# KiCad board fretboard_0.2.kicad_pcb (continued)
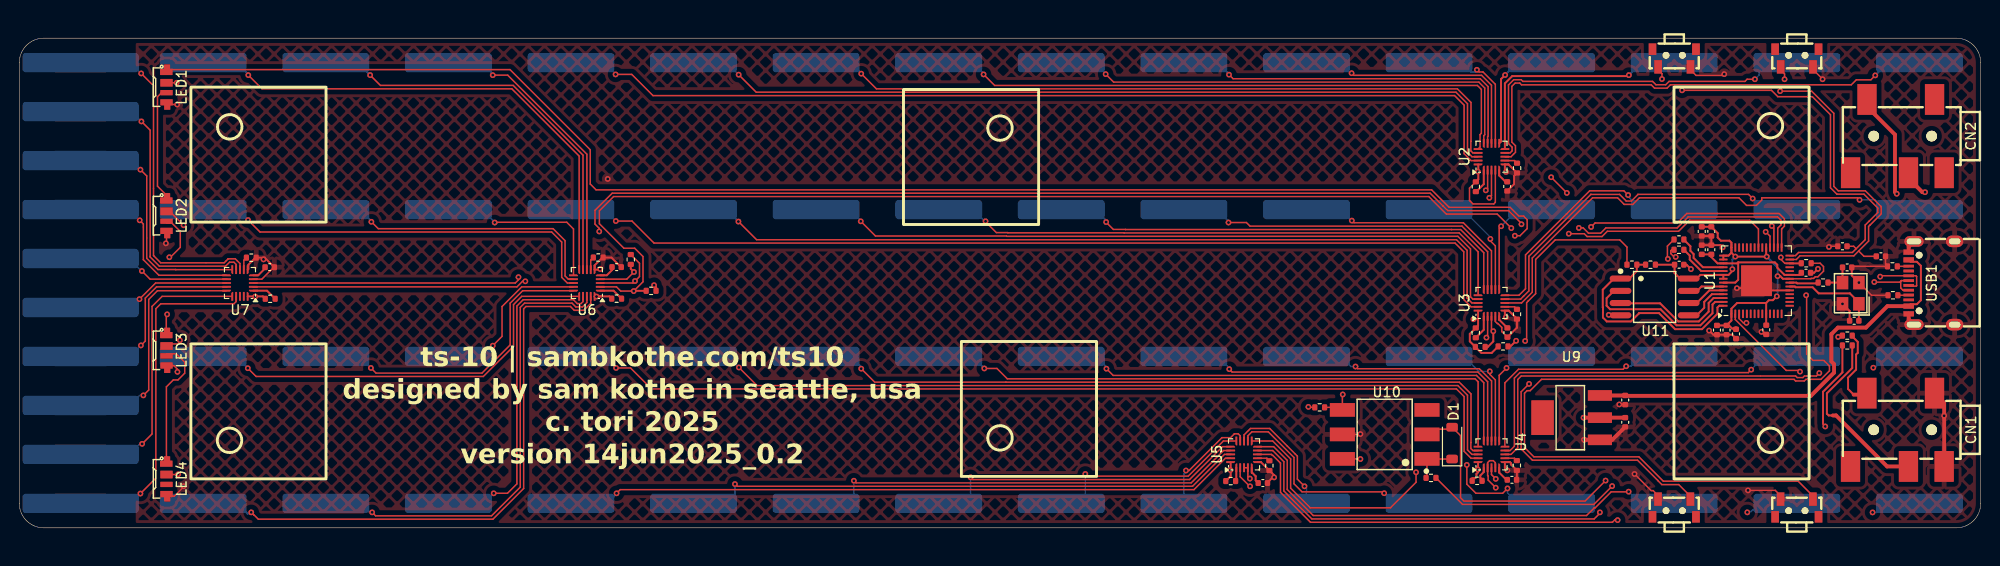
[diagram p0: board, top side]
## Routing (per net, layer and track width the routed paths; a pad name or vN(x,y) marks a point on that pad's centre or on a via; arc(x,y) is an arc through that point) (continued)
  Top w0.4: v1(162.1,9.14) 162.12,9.13 U9.1 165.03,9.13 C21.2 ; CN1.2 199.41,12.97 v1(199.41,11.63) CN1.1 ; USB1.12 195.74,29.17 USB1.14 ; USB1.13 195.74,21.63 USB1.1
  vias: v1(60.96,36.19)
VBUS: length 45.2
  Top w0.2: USB1.11 195.94,27.6 196.59,27.6 197,27.19 197,23.61 196.59,23.2 195.94,23.2 USB1.2
  Top w0.4: U9.3 166.36,13.73 C22.1 166.42,13.69 185.6,13.69 188.01,16.1 188.01,16.98 187.73,17.26 187.73,20.09 188.41,20.77 191.31,20.77 193.54,23 USB1.2
NEO: length 180.5
  Top w0.15: LED1.1 15.25,47.54 50.83,47.54 59.15,39.22 59.15,35.67 59.75,35.07 146.31,35.07 148.13,33.25 154.45,33.25 155.36,32.34 155.84,32.34 156.21,31.97 156.21,31.04 155.47,30.3 v1(154.94,30.3) ; v1(160.53,30.51) 162.13,30.51 162.42,30.22 163.97,30.22 164.52,30.77 171.9,30.77 173.04,31.91 179.27,31.91 180.17,31.01 U1.35
  In2.Cu w0.15: v1(154.94,30.3) 155.15,30.51 v1(160.53,30.51)
QSPI_SCLK: length 4.2
  Top w0.2: 172.93,23.3 173.75,23.3 175.1,24.64 U1.52
QSPI_SD0: length 4.9
  Top w0.2: 172.93,22.03 173.75,22.03 174.56,22.83 174.56,23.44 175.36,24.24 U1.53
QSPI_SD1: length 17
  Top w0.2: U1.55 175.69,23.44 175.42,23.17 175.42,22.27 174.16,21.01 171.7,21.01 170.03,22.68 164.81,22.68 164.45,23.04 164.45,23.83 165.18,24.56 165.87,24.56
QSPI_SD2: length 13
  Top w0.2: U1.54 175.52,23.84 175.02,23.33 175.02,22.43 174,21.41 171.87,21.41 169.98,23.3 165.87,23.3
QSPI_SD3: length 3.8
  Top w0.2: U1.51 174.28,25.04 173.79,24.56 172.93,24.56
QSPI_SS: length 23.9
  Top w0.2: U1.56 176.11,23.04 175.93,22.85 175.93,22.21 174.33,20.61 171.53,20.61 169.87,22.28 167.8,22.28 167.8,22.25 166.96,21.41 164.47,21.41 164.06,21.81 164.06,22.34 164.07,22.35 164.07,22.85 164.05,22.87 164.05,24.71 165.18,25.84 166.77,25.84 167.57,26.64 R17.1 R16.1
RST: length 87.6
  Top w0.15: v1(182.49,28.06) 182.49,27.86 182.91,27.44 U1.26 ; SW3.1 185.82,3.31 184.29,4.84 170.32,4.84 167.79,7.37 156.91,7.37 155.94,8.33 155.94,13.97 156.2,14.23 156.52,14.23 157.69,15.4 183.86,15.4 184.02,15.24 184.93,15.24 185.09,15.4 186.64,15.4 187.53,16.29 187.53,16.79 186.94,17.37 185.83,17.37 185.17,18.03 185.17,24.08 v1(185.12,24.13)
  Top w0.2: R18.1 184.6,27.44 U1.26
  In2.Cu w0.15: v1(182.49,28.06) 185.12,25.43 v1(185.12,24.13)
RX: length 70.4
  Top w0.15: U1.3 178.17,21.7 178.61,21.26 v1(178.93,21.26) ; v1(137.11,13.83) 137.07,13.8 U10.4 136.81,12.5 R21.1 ; v1(160.32,34.75) v1(158.7,36.37)
  In2.Cu w0.15: v1(178.93,21.26) 178.9,21.23 173.66,21.23 160.32,34.57 v1(160.32,34.75) ; v1(137.11,13.83) 137.11,14 138.2,15.09 143.99,15.09 148.92,20.02 148.92,20.75 151,22.83 151,35.4 151.95,36.34 158.67,36.34 v1(158.7,36.37)
SCL0: length 112.1
  Top w0.15: v1(127.51,4.31) 127.47,4.31 126.48,5.3 U5.2 ; U3.2 152.12,19.86 v1(151.99,19.74) ; v1(151.93,35.01) 152.12,35.2 U2.2 ; U1.32 181.37,30.26 v1(180.92,30.71) ; v1(152.96,4.17) 152.17,4.95 152.17,5.37 152.12,5.43 U4.2 152.12,6.77 152.32,6.97 152.7,6.97 152.92,6.76 U4.4
  Top w0.2: v1(155.07,19.41) 154.48,18.82 R26.2
  In2.Cu w0.15: v1(180.92,30.71) 180.85,30.78 180.85,35.13 180.59,35.39 156.14,35.39 154.41,33.66 151.72,33.66 ; v1(151.93,35.01) 151.72,34.81 151.72,19.78 151.77,19.74 v1(151.99,19.74) 152.12,19.86 152.12,20.75 152.54,21.17 153.3,21.17 v1(155.07,19.41) 154.94,19.28 154.94,5.93 153.17,4.17 v1(152.96,4.17) 151.46,2.67 129.15,2.67 v1(127.51,4.31)
SCL1: length 185.2
  Top w0.15: U7.2 51.56,25 52.13,25.58 v1(52.43,25.58) ; U1.30 182.17,31.1 182.52,31.44 182.52,31.91 182.17,32.26 172.9,32.26 171.75,31.11 164.37,31.11 163.83,30.57 162.57,30.57 162.02,31.11 v1(161.57,31.11) ; v1(154.57,31.1) 153.11,32.55 147.84,32.55 146.02,34.37 61.57,34.37 60.1,32.89 60.1,31.55 62.64,29.01 63.75,29.01 64.62,28.14 64.62,25.53 v1(63.65,24.56) 62.31,24.56 61.87,25 U6.2
  Top w0.2: R28.2 63.68,24.59 v1(63.65,24.56)
  In2.Cu w0.15: v1(63.65,24.56) 63.4,24.31 62.41,24.31 62.31,24.21 61.34,24.21 60.78,24.77 60.05,24.77 59.23,25.58 v1(52.43,25.58) ; v1(161.57,31.11) 161.54,31.09 156.4,31.09 156.2,30.89 155.4,30.89 155.19,31.1 v1(154.57,31.1)
SDA0: length 109.5
  Top w0.15: U5.3 U5.4 127.28,5.31 v1(127.49,5.11) ; U4.3 152.52,5.52 v1(152.96,5.08) ; U2.3 152.52,34.46 v1(152.3,34.24) ; U3.3 152.52,20.58 v1(152.7,20.4) ; U1.31 181.77,31.1 v1(181.56,31.32)
  Top w0.2: R25.2 152.14,18.77 152.7,19.34 v1(152.7,20.4)
  In2.Cu w0.15: v1(127.49,5.11) 127.6,5.11 129.69,3.02 150.9,3.02 v1(152.96,5.08) 152.92,5.12 152.92,20.18 v1(152.7,20.4) 152.7,19.47 152.2,18.97 151.73,18.97 151.37,19.32 151.37,20.83 151.35,20.85 151.35,35.25 151.69,35.59 152.16,35.59 152.5,35.25 152.5,34.44 v1(152.3,34.24) 154.5,34.24 156,35.74 180.75,35.74 181.49,34.99 181.49,31.38 v1(181.56,31.32)
SDA1: length 186.3
  Top w0.15: v1(162.84,31.22) 163.25,31.62 171.77,31.62 172.75,32.61 182.31,32.61 182.87,32.06 182.87,31.29 182.57,31 U1.29 ; v1(60.08,30.75) 60.08,31.06 59.64,31.51 59.64,32.93 61.42,34.72 146.17,34.72 147.98,32.9 154.29,32.9 155.63,31.57 v1(155.63,31.5) ; U6.3 63.59,25.4 v1(63.79,25.6) 64.25,26.07 64.25,27.45 R27.2 ; v1(51.71,26.01) 51.71,25.73 51.38,25.4 U7.3
  In2.Cu w0.15: v1(162.84,31.22) 162.35,31.71 155.84,31.71 v1(155.63,31.5) ; v1(51.71,26.01) 51.97,26.26 59.04,26.26 60.19,25.11 63.3,25.11 v1(63.79,25.6) 62.15,27.24 62.15,28.68 v1(60.08,30.75)
SET1: length 38
  Top w0.15: C19.1 191.11,28.17 190.56,28.72 ; v1(182.42,45.3) 185.68,45.3 187.99,43 187.99,35.42 188.44,34.96 191.25,34.96 192.89,33.32 192.89,32.56 191.77,31.45 191.76,31.45 191.59,31.27 191.59,29.75 190.56,28.72 ; 190.56,28.72 190.06,28.22 184.48,28.22 184.1,27.84 U1.27 ; 182.48,47.97 182.48,47.49 182.88,47.09 v1(182.88,46.54)
  In2.Cu w0.15: v1(182.42,45.3) 182.42,46.08 v1(182.88,46.54)
SET2: length 46.8
  Top w0.15: 190.3,28.96 191.24,29.9 191.24,31.41 191.62,31.8 191.63,31.8 192.54,32.71 192.54,33.18 191.1,34.61 188.3,34.61 187.64,35.28 187.64,42.86 185.76,44.73 182.18,44.73 181.52,45.39 v1(172.26,45.39) ; 190.3,28.96 190.04,29.21 C20.1 ; 190.3,28.96 189.91,28.57 184.33,28.57 184,28.24 U1.28 ; 169.78,47.31 169.98,47.31 170.18,47.12 v1(170.18,46.56)
  In2.Cu w0.15: v1(170.18,46.56) 171.09,46.56 v1(172.26,45.39)
TX: length 15.6
  Top w0.15: U1.2 177.77,21.61 183.05,16.33 184.36,16.33 v1(184.48,16.21) ; R24.1 188.74,19.81 v1(188.43,19.81)
  In2.Cu w0.15: v1(184.48,16.21) 184.48,16.43 187.85,19.81 v1(188.43,19.81)
USB_DM: length 32.3
  Top w0.15: 194.99,25.65 194.83,25.49 192.19,25.49 v1(192.18,25.5) ; 194.99,25.65 USB1.7 ; 194.99,25.65 194.92,25.57 194.92,24.88 195.15,24.65 USB1.5 ; v1(170.79,27.9) 170.74,27.94 170.74,29.23 R14.1
  In2.Cu w0.15: v1(192.18,25.5) 192.18,26.23 188.68,29.72 174.74,29.72 172.55,27.53 171.15,27.53 v1(170.79,27.9)
USB_DP: length 30.7
  Top w0.15: USB1.6 195.81,25.07 196.53,25.07 196.56,25.11 196.56,26.07 196.49,26.15 USB1.8 192.88,26.15 v1(192.79,26.06) ; v1(171.6,28.11) 171.43,28.11 171.09,28.45 171.09,28.75 171.19,28.85 R15.1
  In2.Cu w0.15: v1(192.79,26.06) 192.79,26.11 188.82,30.07 174.6,30.07 172.63,28.11 v1(171.6,28.11)
XIN: length 9.8
  Top w0.2: U1.20 183.95,25.04 184.02,24.96 185.78,24.96 186.42,24.33 189.64,24.33 190.58,23.39 X1.1 190.58,21.49 C7.1
XOUT: length 2.9
  Top w0.2: U1.21 184.11,25.44 184.19,25.36 186.16,25.36 186.24,25.44
Net-(CN1-Pad3): length 18.9
  Top w0.2: R23.2 189.89,16.58 187.27,13.95 187.27,11.84 187.27,11.84 187.45,11.66 187.89,11.66
  Top w0.4: CN1.3 193.5,6.37 188.21,11.66 187.89,11.66
Net-(CN1-Pad4): length 8.5
  Top w0.2: 190.04,13.82 189.46,14.4 189.46,15.54 189.44,15.56 190.29,16.42 190.29,17.98 190.46,18.15 190.46,19.29 189.89,19.86 R24.2
  Top w0.4: 190.04,13.82 191.26,13.82 CN1.4
Net-(CN2-Pad3): length 90.1
  Top w0.15: v1(165.02,4.33) 163.12,2.43 149.52,2.43 R22.2
  Top w0.4: CN2.3 195.72,36.26 197.15,34.82 v1(197.43,34.82)
  In2.Cu w0.15: v1(165.02,4.33) 165.18,4.49 199.36,4.49 201.14,6.27 201.14,17.78 198.88,20.04 198.88,33.38 v1(197.43,34.82)
Net-(D1-A): length 106.6
  Top w0.15: U10.2 146.38,10.24 148.24,10.24 D1.2 149.31,9.56 149.31,3.13 149.66,2.78 162.21,2.78 v1(164.34,4.9)
  Top w0.4: v1(194.5,34.66) 194.32,34.84 194.32,40.79 191.42,43.69 CN2.4
  In2.Cu w0.15: v1(194.5,34.66) 196.02,34.66 198.53,32.15 198.53,19.9 200.79,17.64 200.79,6.42 199.21,4.84 167.12,4.84 167.05,4.9 v1(164.34,4.9)
Net-(D1-K): length 4.6
  Top w0.15: R22.1 145.83,5.27 U10.1 145.85,7.14 D1.1
Net-(LED1-DOUT): length 12.2
  Top w0.15: LED1.3 14.75,45.15 14.31,44.72 14.31,35.44 15.23,34.53 15.23,33.97
Net-(LED2-DOUT): length 12.8
  Top w0.15: v1(15.32,22.15) 15.23,22.06 15.23,20.43 ; v1(15.54,28.07) 15.65,28.07 16.68,29.1 16.68,30.74 15.82,31.6 15.25,31.6
  In2.Cu w0.15: v1(15.32,22.15) 15.34,22.17 15.34,27.87 v1(15.54,28.07)
Net-(LED3-DOUT): length 13.6
  Top w0.15: 15.25,18.06 16.26,18.06 17.14,17.18 17.14,16.04 16.43,15.34 15.95,15.34 15.24,14.63 15.24,6.88
Net-(R17-Pad2): length 52.5
  Top w0.15: 173.12,3.49 172.92,3.49 171.92,4.49 170.16,4.49 169.75,4.9 169.75,4.91 167.65,7.02 156.76,7.02 155.59,8.19 ; R17.2 166.55,29.13 165.81,29.87 159.12,29.87 157.09,27.85 157.09,24.3 156.16,23.36 156.16,19.53 v1(156.01,19.38) ; v1(156.41,14.94) 155.59,14.11 155.59,8.19
  In2.Cu w0.15: v1(156.01,19.38) 156.41,18.97 v1(156.41,14.94)
Net-(U1-USB_DM): length 5.8
  Top w0.2: U1.46 174.42,27.04 173.46,28 173.46,28.41 173.13,28.74 173.13,29.21 172.45,29.89 R14.2
Net-(U1-USB_DP): length 5.2
  Top w0.2: U1.47 174.25,26.64 173.06,27.83 173.06,28.24 R15.2
Net-(U1-VREG_VOUT): length 15.2
  Top w0.2: 178.07,27.54 181.87,27.54 182.13,27.29 182.13,26.99 182.88,26.24 U1.23 184,26.24 184,26.23 184.39,26.23 C9.2 ; 178.07,27.54 177.97,27.44 U1.45 175.94,27.44 175.29,28.09 C10.2 174.33,28.37 ; 178.07,27.54 178.07,25.74 177.78,25.44 U1.50
Net-(U2-ELE0): length 52
  Top w0.15: U2.8 154.54,38.5 155,38.96 155,39.64 154.63,40.01 154.63,45.8 154.97,46.14 155.45,46.14 155.62,45.96 169.06,45.96 169.41,45.62 170.71,45.62 171.06,45.96 189.79,45.96 190.31,46.48 191.82,46.48 v1(192.28,46.94)
  Bottom w0.2: P0.1 193.6,48.26 v1(192.28,46.94)
Net-(U2-ELE1): length 39.6
  Top w0.15: U2.9 154.45,38.9 154.65,39.11 154.65,39.49 154.28,39.87 154.28,45.95 154.82,46.49 155.59,46.49 155.77,46.31 169.21,46.31 169.55,45.97 170.57,45.97 170.91,46.31 178.78,46.31 179,46.54 v1(179.81,46.54)
  Bottom w0.15: v1(179.81,46.54) 180.24,46.97 180.24,47.78 180.72,48.26 P1.1
Net-(U2-ELE2): length 25.2
  Top w0.2: U2.10 153.9,46.1 154.67,46.87 166.65,46.87 v1(166.75,46.96)
  Bottom w0.2: v1(166.75,46.96) 168.05,48.26 P2.1
Net-(U2-ELE3): length 12.7
  Top w0.2: v1(153.93,46.98) 153.5,46.55 153.5,40.07 U2.11
  Bottom w0.2: P3.1 155.19,48.26 153.93,47 v1(153.93,46.98)
Net-(U2-LED0/ELE4): length 14.1
  Top w0.15: U2.12 152.92,46.01 151.64,47.29 151.23,47.29 v1(151,47.52)
  Bottom w0.2: P4.1 149.43,48.26 150.39,47.29 150.78,47.29 v1(151,47.52)
Net-(U2-LED1/ELE5): length 26.2
  Top w0.15: v1(138.02,47.17) 138.25,46.94 151.49,46.94 152.52,45.92 U2.13
  Bottom w0.2: P5.1 136.83,48.26 137.92,47.17 v1(138.02,47.17)
Net-(U2-LED2/ELE6): length 38.5
  Top w0.15: U2.14 152.12,40.59 152.17,40.64 152.17,45.77 151.35,46.59 125.75,46.59 v1(125.32,47.02)
  Bottom w0.2: v1(125.32,47.02) 125.32,47.07 124.13,48.26 P6.1
Net-(U2-LED3/ELE7): length 50.8
  Top w0.15: v1(112.55,47.07) 113.37,46.24 151.2,46.24 151.82,45.63 151.82,40.78 151.72,40.68 U2.15
  Bottom w0.2: P7.1 111.43,48.26 112.55,47.14 v1(112.55,47.07)
Net-(U2-LED4/ELE8): length 63.7
  Top w0.15: U2.16 151.33,39.5 151.33,40.79 151.47,40.93 151.47,45.48 151.06,45.89 101.05,45.89 v1(99.9,47.04)
  Bottom w0.2: v1(99.9,47.04) 99.9,47.12 98.76,48.26 P8.1
Net-(U2-LED5/ELE9): length 75.4
  Top w0.15: v1(87.22,47.12) 88.8,45.54 148.98,45.54 150.39,44.13 150.39,40.11 150.38,40.1 150.38,39.11 150.59,38.9 U2.17
  Bottom w0.2: v1(87.22,47.12) 87.22,47.17 86.13,48.26 P9.1
Net-(U2-LED6/ELE10): length 88.3
  Top w0.15: U2.18 150.49,38.5 150.03,38.96 150.03,44 148.84,45.19 76.35,45.19 v1(74.52,47.02)
  Bottom w0.15: P10.1 70.76,47.35 74.19,47.35 v1(74.52,47.02)
Net-(U2-LED7/ELE11): length 96.6
  Top w0.15: U2.19 150.4,38.1 149.68,38.82 149.68,43.85 148.69,44.84 65.65,44.84 63.45,47.04 v1(61.77,47.04)
  Bottom w0.15: v1(61.77,47.04) 61.33,47.49
Net-(U2-REXT): length 1.4
  Top w0.15: U2.7 154.9,38.1 R2.1
Net-(U2-VREG): length 1.7
  Top w0.2: U2.5 153.32,36.55 153.97,35.9 C1.1
Net-(U2-~{IRQ}): length 2.6
  Top w0.2: 150.95,34.88 151.72,35.65 U2.1
Net-(U3-ELE0): length 51.4
  Top w0.15: U3.8 155.63,23.33 156.74,24.44 156.74,27.99 162.99,34.24 165.58,34.24 166.27,33.55 167.16,33.55 167.84,34.24 178.16,34.24 178.94,33.45 179.96,33.45 180.52,34.01 180.52,34.24 190.43,34.24 v1(190.65,34.02)
  Bottom w0.15: v1(190.65,34.02) 192.25,34.02 193.25,33.02 P12.1
Net-(U3-ELE1): length 38.2
  Top w0.15: U3.9 155.54,23.73 155.88,24.08 ; v1(179.58,34.16) 179.15,34.59 167.69,34.59 167.69,34.58 167.01,33.9 166.48,33.9 165.79,34.59 162.82,34.59 162.81,34.59 156.39,28.17 156.39,24.59 155.8,24
  Bottom w0.15: v1(179.58,34.16) 180.72,33.02 P13.1
Net-(U3-ELE2): length 25
  Top w0.15: U3.10 155.37,24.13 156.04,24.8 156.04,28.32 162.69,34.96 166.23,34.96 v1(166.67,34.52)
  Bottom w0.15: v1(166.67,34.52) 166.67,34.39 168.05,33.02 P14.1
Net-(U3-ELE3): length 12.6
  Top w0.15: v1(153.52,31.29) 153.32,31.09 U3.11
  Bottom w0.15: v1(153.52,31.29) 155.25,33.02 P15.1
Net-(U3-LED0/ELE4): length 13.2
  Top w0.15: U3.12 152.92,29.25 152.4,29.77 v1(152.4,29.97)
  Bottom w0.15: v1(152.4,29.97) 152.4,30.15 149.53,33.02 P16.1
Net-(U3-LED1/ELE5): length 25
  Top w0.15: U3.13 152.52,28.74 149.61,31.65 138.27,31.65 v1(138.05,31.87)
  Bottom w0.2: v1(138.05,31.87) 138,31.87 136.86,33.02 P17.1
Net-(U3-LED2/ELE6): length 37.3
  Top w0.15: U3.14 152.12,28.64 149.46,31.3 127.5,31.3 127.13,31.67 v1(125.27,31.67)
  Bottom w0.2: v1(125.27,31.67) 125.27,31.8 124.05,33.02 P18.1
Net-(U3-LED3/ELE7): length 49.6
  Top w0.15: U3.15 151.72,28.55 149.32,30.94 148.39,30.94 148.39,30.95 114.61,30.95 114.6,30.96 113.34,30.96 112.6,31.7 v1(112.6,31.72)
  Bottom w0.2: P19.1 111.46,33.02 112.6,31.88 v1(112.6,31.72)
Net-(U3-LED4/ELE8): length 62.2
  Top w0.15: v1(100.1,31.8) 100.1,31.75 101.22,30.63 102.41,30.63 102.42,30.61 114.45,30.61 114.47,30.59 149.18,30.59 151.13,28.64 U3.16
  Bottom w0.2: v1(100.1,31.8) 100.03,31.8 98.81,33.02 P20.1
Net-(U3-LED5/ELE9): length 75.4
  Top w0.15: U3.17 150.59,23.73 150.34,23.98 150.34,28.93 149.03,30.24 102.29,30.24 102.26,30.28 88.7,30.28 v1(87.17,31.8)
  Bottom w0.2: v1(87.17,31.8) 87.17,31.9 86.06,33.02 P21.1
Net-(U3-LED6/ELE10): length 88.2
  Top w0.15: U3.18 150.49,23.33 149.99,23.83 149.99,28.79 148.89,29.89 76.38,29.89 v1(74.5,31.78)
  Bottom w0.2: v1(74.5,31.78) 73.25,33.02 P22.1
Net-(U3-LED7/ELE11): length 101.1
  Top w0.15: v1(61.8,31.83) 63.47,31.83 65.76,29.54 148.74,29.54 149.64,28.64 149.64,23.69 150.4,22.93 U3.19
  Bottom w0.2: v1(61.8,31.83) 60.6,33.02 P23.1
Net-(U3-REXT): length 1.4
  Top w0.15: U3.7 154.9,22.93 R4.1
Net-(U3-VREG): length 1.6
  Top w0.2: C2.1 153.32,21.59 U3.5
Net-(U3-~{IRQ}): length 2.6
  Top w0.2: R3.1 151.72,20.54 U3.1
Net-(U4-ELE0): length 52.4
  Top w0.15: U4.8 154.54,7.62 155.24,8.32 155.24,15.39 155.61,15.75 184.02,15.75 184.19,15.59 184.78,15.59 184.94,15.75 186.18,15.75 v1(186.48,16.06)
  In2.Cu w0.2: v1(186.48,16.06) 191.52,16.06 v1(192.07,16.61)
  Bottom w0.2: P24.1 193.4,17.78 ; 193.4,17.78 192.23,16.61 v1(192.07,16.61) ; 193.4,17.78 192.68,17.07
Net-(U4-ELE1): length 38.4
  Top w0.15: v1(179.43,16.41) 179.12,16.1 155.46,16.1 154.89,15.53 154.89,8.46 154.45,8.02 U4.9
  Bottom w0.15: P25.1 180.8,17.78 v1(179.43,16.41)
Net-(U4-ELE2): length 25.3
  Top w0.15: U4.10 153.9,15.04 155.32,16.45 166.16,16.45 v1(166.47,16.76)
  Bottom w0.15: v1(166.47,16.76) 166.95,16.76 167.97,17.78 P26.1
Net-(U4-ELE3): length 13.1
  Top w0.15: U4.11 153.32,15.83 v1(154.08,16.59)
  Bottom w0.15: P27.1 155.27,17.78 v1(154.08,16.59)
Net-(U4-LED0/ELE4): length 14.4
  Top w0.15: U4.12 152.92,15.34 152.34,15.92 v1(152.34,16.24)
  Bottom w0.15: P28.1 149.66,17.78 151.2,16.24 v1(152.34,16.24)
Net-(U4-LED1/ELE5): length 26.5
  Top w0.15: U4.13 152.53,9.02 152.53,15.24 151.26,16.51 138.65,16.51 v1(138.43,16.73)
  Bottom w0.15: 138.48,16.79 v1(138.43,16.73) 137.95,16.73 136.91,17.78 P29.1
Net-(U4-LED2/ELE6): length 38.8
  Top w0.15: U4.14 152.12,15.15 151.11,16.16 125.65,16.16 v1(125.35,16.46)
  Bottom w0.15: P30.1 124.16,17.78 125.35,16.59 v1(125.35,16.46)
Net-(U4-LED3/ELE7): length 51.1
  Top w0.15: U4.15 151.72,15.06 150.97,15.81 113.32,15.81 v1(112.62,16.51)
  Bottom w0.2: v1(112.62,16.51) 112.62,16.69 111.53,17.78 P31.1
Net-(U4-LED4/ELE8): length 63.7
  Top w0.15: U4.16 151.13,15.15 150.82,15.46 102.36,15.46 101.28,16.54 v1(99.97,16.54)
  Bottom w0.2: v1(99.97,16.54) 98.73,17.78 P32.1
Net-(U4-LED5/ELE9): length 76.1
  Top w0.15: v1(87.22,16.51) 88.62,15.11 102.21,15.11 102.21,15.11 149.18,15.11 150.39,13.89 150.39,8.86 150.38,8.85 150.38,8.23 150.59,8.02 U4.17
  Bottom w0.2: v1(87.22,16.51) 87.22,16.69 86.13,17.78 P33.1
Net-(U4-LED6/ELE10): length 88.8
  Top w0.15: U4.18 150.49,7.62 150.03,8.08 150.03,13.76 149.03,14.76 76.43,14.76 v1(74.55,16.64)
  Bottom w0.2: v1(74.55,16.64) 74.52,16.64 73.38,17.78 P34.1
Net-(U4-LED7/ELE11): length 101.7
  Top w0.15: v1(61.82,16.59) 63.32,16.59 65.5,14.41 148.89,14.41 149.68,13.61 149.68,7.94 150.4,7.22 U4.19
  Bottom w0.2: P35.1 60.66,17.78 61.82,16.61 v1(61.82,16.59)
Net-(U4-REXT): length 1.3
  Top w0.15: U4.7 154.9,7.22 R6.1
Net-(U4-VREG): length 1.6
  Top w0.2: U4.5 153.32,5.73 154.06,4.99 154.16,4.99
Net-(U4-~{IRQ}): length 1.7
  Top w0.2: U4.1 151.72,5.79 151.36,5.43 151.36,5.2 151.72,4.84
Net-(U5-ELE0): length 74.6
  Top w0.15: U5.8 129.72,7.62 129.82,7.52 129.85,7.52 130.66,6.72 130.66,3.68 133.77,0.57 165.05,0.57 165.05,0.58 165.3,0.84 165.39,0.84 165.43,0.8 v1(165.58,0.8)
  In2.Cu w0.15: v1(165.58,0.8) 165.66,0.88 165.81,0.88 165.85,0.84 166.78,0.84 167.04,0.57 191.38,0.57 192,1.19 v1(192,1.6)
  Bottom w0.15: P36.1 193.34,2.54 192.41,1.6 v1(192,1.6)
Net-(U5-ELE1): length 62.2
  Top w0.15: v1(163.75,1.6) 163.75,1.52 163.16,0.92 133.91,0.92 131.01,3.83 131.01,6.86 129.85,8.02 U5.9
  In2.Cu w0.15: v1(163.75,1.6) 163.73,1.6 163.65,1.68 163.65,1.83 163.91,2.08 165.13,2.08 165.75,1.45 167.76,1.45 167.81,1.51 169.43,1.51 169.99,0.95 179,0.95 179.15,1.1 179.15,1.47 v1(179.02,1.6)
  Bottom w0.15: 180.06,1.83 179.55,1.83 179.4,1.68 179.09,1.68 v1(179.02,1.6)
  Bottom w0.2: P37.1 180.64,2.54
Net-(U5-ELE2): length 50.2
  Top w0.15: U5.10 129.94,8.42 131.36,7.01 131.36,3.97 134.06,1.27 162.36,1.27 163.16,2.08 163.26,2.08 164.92,3.73 166.71,3.73 v1(166.73,3.75)
  Bottom w0.15: v1(166.73,3.75) 168.55,1.93 169.93,1.93 169.93,2.06 170.32,2.45 170.88,2.45 171.12,2.21 P38.1
Net-(U5-ELE3): length 42.5
  Top w0.15: v1(154.18,4.09) 153.68,3.59 150.9,3.59 149.96,4.53 v1(149.96,6.53) ; U5.11 129.85,9.01 131.71,7.15 131.71,4.12 133.75,2.08 142.05,2.08 144.7,4.73 v1(144.7,5.77)
  In2.Cu w0.15: v1(149.96,6.53) 149.61,6.88 145.82,6.88 v1(144.7,5.77)
  Bottom w0.15: P39.1 158.06,1.85 155.96,1.85 154.18,3.63 v1(154.18,4.09)
Net-(U5-LED0/ELE4): length 24.1
  Top w0.15: U5.12 127.28,9.55 127.69,9.96 129.4,9.96 132.06,7.3 132.06,4.57 132.89,3.73 141.26,3.73 v1(141.4,3.59)
  Bottom w0.15: v1(141.4,3.59) 142.45,2.54 P40.1
Net-(U5-LED1/ELE5): length 12.9
  Top w0.15: U5.13 126.88,9.64 127.55,10.31 129.54,10.31 132.41,7.44 132.41,5.05 v1(133.15,4.31)
  Bottom w0.15: P41.1 133.35,4.11 v1(133.15,4.31)
Net-(U5-LED2/ELE6): length 11.3
  Top w0.15: U5.14 126.48,9.55 126.28,9.75 125.88,9.75 125.49,9.36 124.6,9.36 121.19,5.95 v1(120.87,5.95)
  Bottom w0.15: P42.1 120.65,5.61 120.87,5.83 v1(120.87,5.95)
Net-(U5-LED3/ELE7): length 22.7
  Top w0.15: U5.15 124.74,9.01 121.1,5.36 110.66,5.36 v1(110.44,5.59)
  Bottom w0.15: P43.1 110.36,2.54 110.44,2.62 v1(110.44,5.59)
Net-(U5-LED4/ELE8): length 34
  Top w0.15: v1(98.55,5.24) 98.78,5.01 121.24,5.01 124.65,8.42 U5.16
  Bottom w0.15: v1(98.55,5.24) 98.55,3.33 97.76,2.54 P44.1
Net-(U5-LED5/ELE9): length 46.7
  Top w0.15: v1(86.46,4.89) 86.69,4.66 121.41,4.66 124.76,8.02 U5.17
  Bottom w0.15: v1(86.46,4.89) 86.46,2.69 86.31,2.54 P45.1
Net-(U5-LED6/ELE10): length 58.7
  Top w0.15: U5.18 124.86,7.62 121.55,4.31 74.37,4.31 v1(74.14,4.54)
  Bottom w0.15: v1(74.14,4.54) 74.14,3.17 73.51,2.54 P46.1
Net-(U5-LED7/ELE11): length 70.2
  Top w0.15: v1(61.87,3.58) 62.26,3.96 121.7,3.96 124.95,7.22 U5.19
  Bottom w0.15: v1(61.87,3.58) 61.9,3.56
  Bottom w0.2: P47.1 60.88,2.54 61.77,3.43
Net-(U5-REXT): length 1.3
  Top w0.15: U5.7 129.25,7.22 R8.1
Net-(U5-VREG): length 1.9
  Top w0.2: U5.5 127.68,5.71 127.74,5.71 128.09,5.36 128.09,4.91 C4.1
Net-(U5-~{IRQ}): length 1.4
  Top w0.2: 126.08,4.85 U5.1
Net-(U6-ELE0): length 30.3
  Top w0.15: v1(49.05,46.96) 50.6,46.96 58.8,38.76 U6.8
  Bottom w0.2: v1(49.05,46.96) 49.05,47.09 47.88,48.26 P48.1
Net-(U6-ELE1): length 42.5
  Top w0.15: v1(36.35,46.96) 37.41,45.9 51.17,45.9 58.4,38.67 U6.9
  Bottom w0.2: P49.1 35.08,48.26 36.35,46.99 v1(36.35,46.96)
Net-(U6-ELE2): length 54.8
  Top w0.15: U6.10 58,38.57 51.02,45.55 25.14,45.55 v1(23.72,46.96)
  Bottom w0.2: v1(23.72,46.96) 23.72,47.04 22.5,48.26 P50.1
Net-(U6-ELE3): length 18.6
  Top w0.15: v1(49.25,31.67) 49.28,31.7 56.72,31.7 57.41,31 U6.11
  Bottom w0.2: P51.1 47.93,33.02 49.25,31.7 v1(49.25,31.67)
Net-(U6-LED0/ELE4): length 30.8
  Top w0.15: v1(36.47,31.75) 37.19,31.04 55.3,31.04 56.54,29.79 56.54,26.13 56.87,25.8 U6.12
  Bottom w0.2: P52.1 35.28,33.02 36.47,31.83 v1(36.47,31.75)
Net-(U6-LED1/ELE5): length 47.4
  Top w0.15: v1(23.7,31.93) 24.94,30.69 55.15,30.69 56.19,29.65 56.19,25.99 56.78,25.4 U6.13
  Bottom w0.2: 19.51,32.56 23.06,32.56 v1(23.7,31.93) ; 19.51,32.56 23.22,32.56 ; 19.51,32.56 P53.1
Net-(U6-LED2/ELE6): length 17.8
  Top w0.15: U6.14 52.05,25 50.01,22.96 50.01,19.86 v1(49.05,18.9)
  Bottom w0.15: v1(49.05,18.9) 47.93,17.78 P54.1
Net-(U6-LED3/ELE7): length 32.5
  Top w0.15: v1(36.42,16.59) 36.96,16.05 47.93,16.05 50.85,18.97 50.85,23.3 52.15,24.6 U6.15
  Bottom w0.2: v1(36.42,16.59) 35.23,17.78 P55.1
Net-(U6-LED4/ELE8): length 45.8
  Top w0.15: U6.16 52.05,24.01 51.2,23.16 51.2,18.83 48.08,15.7 24.53,15.7 v1(23.67,16.56)
  Bottom w0.2: v1(23.67,16.56) 22.45,17.78 P56.1
Net-(U6-LED5/ELE9): length 34.3
  Top w0.15: v1(49.15,3.58) 50.57,3.58 51.55,4.56 51.55,23.01 52.2,23.66 57.43,23.66 57.43,23.64 57.8,23.27 58.2,23.27 58.4,23.47 U6.17
  Bottom w0.2: v1(49.15,3.58) 48.11,2.54 P57.1
Net-(U6-LED6/ELE10): length 48.8
  Top w0.15: U6.18 58.8,23.38 58.34,22.91 57.66,22.91 57.26,23.31 52.34,23.31 51.9,22.87 51.9,4.22 48.92,1.24 36.91,1.24 36.69,1.47 36.55,1.47
  Bottom w0.2: v1(36.55,1.6) 36.55,1.47 36.43,1.47 35.36,2.54 P58.1
Net-(U6-LED7/ELE11): length 62.2
  Top w0.15: U6.19 59.2,23.28 58.49,22.56 57.5,22.56 57.1,22.96 52.49,22.96 52.25,22.72 52.25,4.08 49.07,0.89 24.76,0.89 24.36,1.3 24.34,1.3 v1(24.03,1.6)
  Bottom w0.2: v1(24.03,1.6) 23.9,1.47 23.65,1.47 22.58,2.54 P59.1
Net-(U6-REXT): length 1.4
  Top w0.15: U6.7 59.2,27.77 R10.1
Net-(U6-VREG): length 1.7
  Top w0.2: C5.1 61.4,26.74 60.86,26.2 U6.5
Net-(U6-~{IRQ}): length 2.5
  Top w0.2: U6.1 61.57,24.6 R9.1
Net-(U7-ELE0): length 30.6
  Top w0.15: v1(12.62,47.14) 13.9,45.86 13.9,28.25 14.65,27.5 21.23,27.5 21.64,27.91 22.38,27.91 22.86,27.42 U7.8
  Bottom w0.15: 11.96,47.75 12.01,47.75 v1(12.62,47.14)
Net-(U7-ELE1): length 25.6
  Top w0.15: U7.9 22.46,27.33 22.23,27.56 21.78,27.56 21.36,27.14 21.35,27.15 14.51,27.15 13.55,28.1 13.55,41.26 v1(12.65,42.16)
  Bottom w0.15: 12.01,42.62 12.01,42.8 v1(12.65,42.16)
Net-(U7-ELE2): length 19.6
  Top w0.15: U7.10 16.21,26.79 16.21,26.8 14.36,26.8 13.2,27.96 13.2,36.51 v1(12.55,37.16)
  Bottom w0.15: 12.01,37.67 12.52,37.16 v1(12.55,37.16)
Net-(U7-ELE3): length 14.3
  Top w0.15: U7.11 14.47,26.2 12.85,27.81 12.85,31.52 v1(12.47,31.9)
  Bottom w0.15: 11.94,32.36 11.99,32.36 12.45,31.9 v1(12.47,31.9)
Net-(U7-LED0/ELE4): length 10.4
  Top w0.15: v1(12.7,26.64) 13.54,25.8 U7.12
  Bottom w0.15: 12.09,27.61 12.09,27.2 12.65,26.64 v1(12.7,26.64)
Net-(U7-LED1/ELE5): length 10.5
  Top w0.15: U7.13 14.12,25.4 v1(12.45,23.72)
  Bottom w0.15: v1(12.45,23.72) 11.86,23.14
Net-(U7-LED2/ELE6): length 14.8
  Top w0.15: U7.14 14.22,25 13.06,23.84 13.06,19.38 v1(12.6,18.92)
  Bottom w0.15: v1(12.6,18.92) 12.12,18.44 12.12,18.34
Net-(U7-LED3/ELE7): length 20
  Top w0.15: v1(12.85,13.74) 13.41,14.29 13.41,23.69 14.31,24.6 U7.15
  Bottom w0.15: v1(12.85,13.74) 12.47,13.74 11.91,13.18 11.91,13
Net-(U7-LED4/ELE8): length 24.4
  Top w0.15: U7.16 14.79,24.01 13.76,22.98 13.76,9.74 v1(12.73,8.71)
  Bottom w0.15: v1(12.73,8.71) 12.5,8.71 12.01,8.23 12.01,8.2
Net-(U7-LED5/ELE9): length 29.9
  Top w0.15: v1(12.55,3.56) 14.15,5.16 14.15,22.73 14.66,23.24 22.23,23.24 22.46,23.47 U7.17
  Bottom w0.15: v1(12.55,3.56) 11.94,2.95
Net-(U7-REXT): length 1.4
  Top w0.15: R12.1 23.26,27.76 U7.7
Net-(U7-VREG): length 1.6
  Top w0.2: U7.5 24.75,26.2 25.46,26.91 C6.1
Net-(U7-~{IRQ}): length 2.6
  Top w0.2: R11.1 25.67,24.6 U7.1
Net-(USB1-CC1): length 1.1
  Top w0.15: R20.2 195.72,24.13 USB1.4
Net-(USB1-CC2): length 1.2
  Top w0.15: R19.2 195.72,27.13 USB1.10
Net-(X1-OSC2): length 3.2
  Top w0.2: C8.2 188.88,25.44 X1.3 188.88,25.44 187.26,25.44

## Copper pours and planes (outline as drawn; the poured copper is in the pictures)
+3V3 on In2.Cu: 203.2,50.8 203.2,0 0,0 0,50.8
GND on Top, Bottom, In1.Cu: 203.2,50.8 203.2,0 0,0 0,50.8

## Text on the board
F.Silkscreen: ts-10 | sambkothe.com/ts10 / designed by sam kothe in seattle, usa / c. tori 2025 / version 14jun2025_0.2
